# Allegro board 1103400-C000PC024-HI3521DV200-CORE-A01-pcb166.brd (continued)
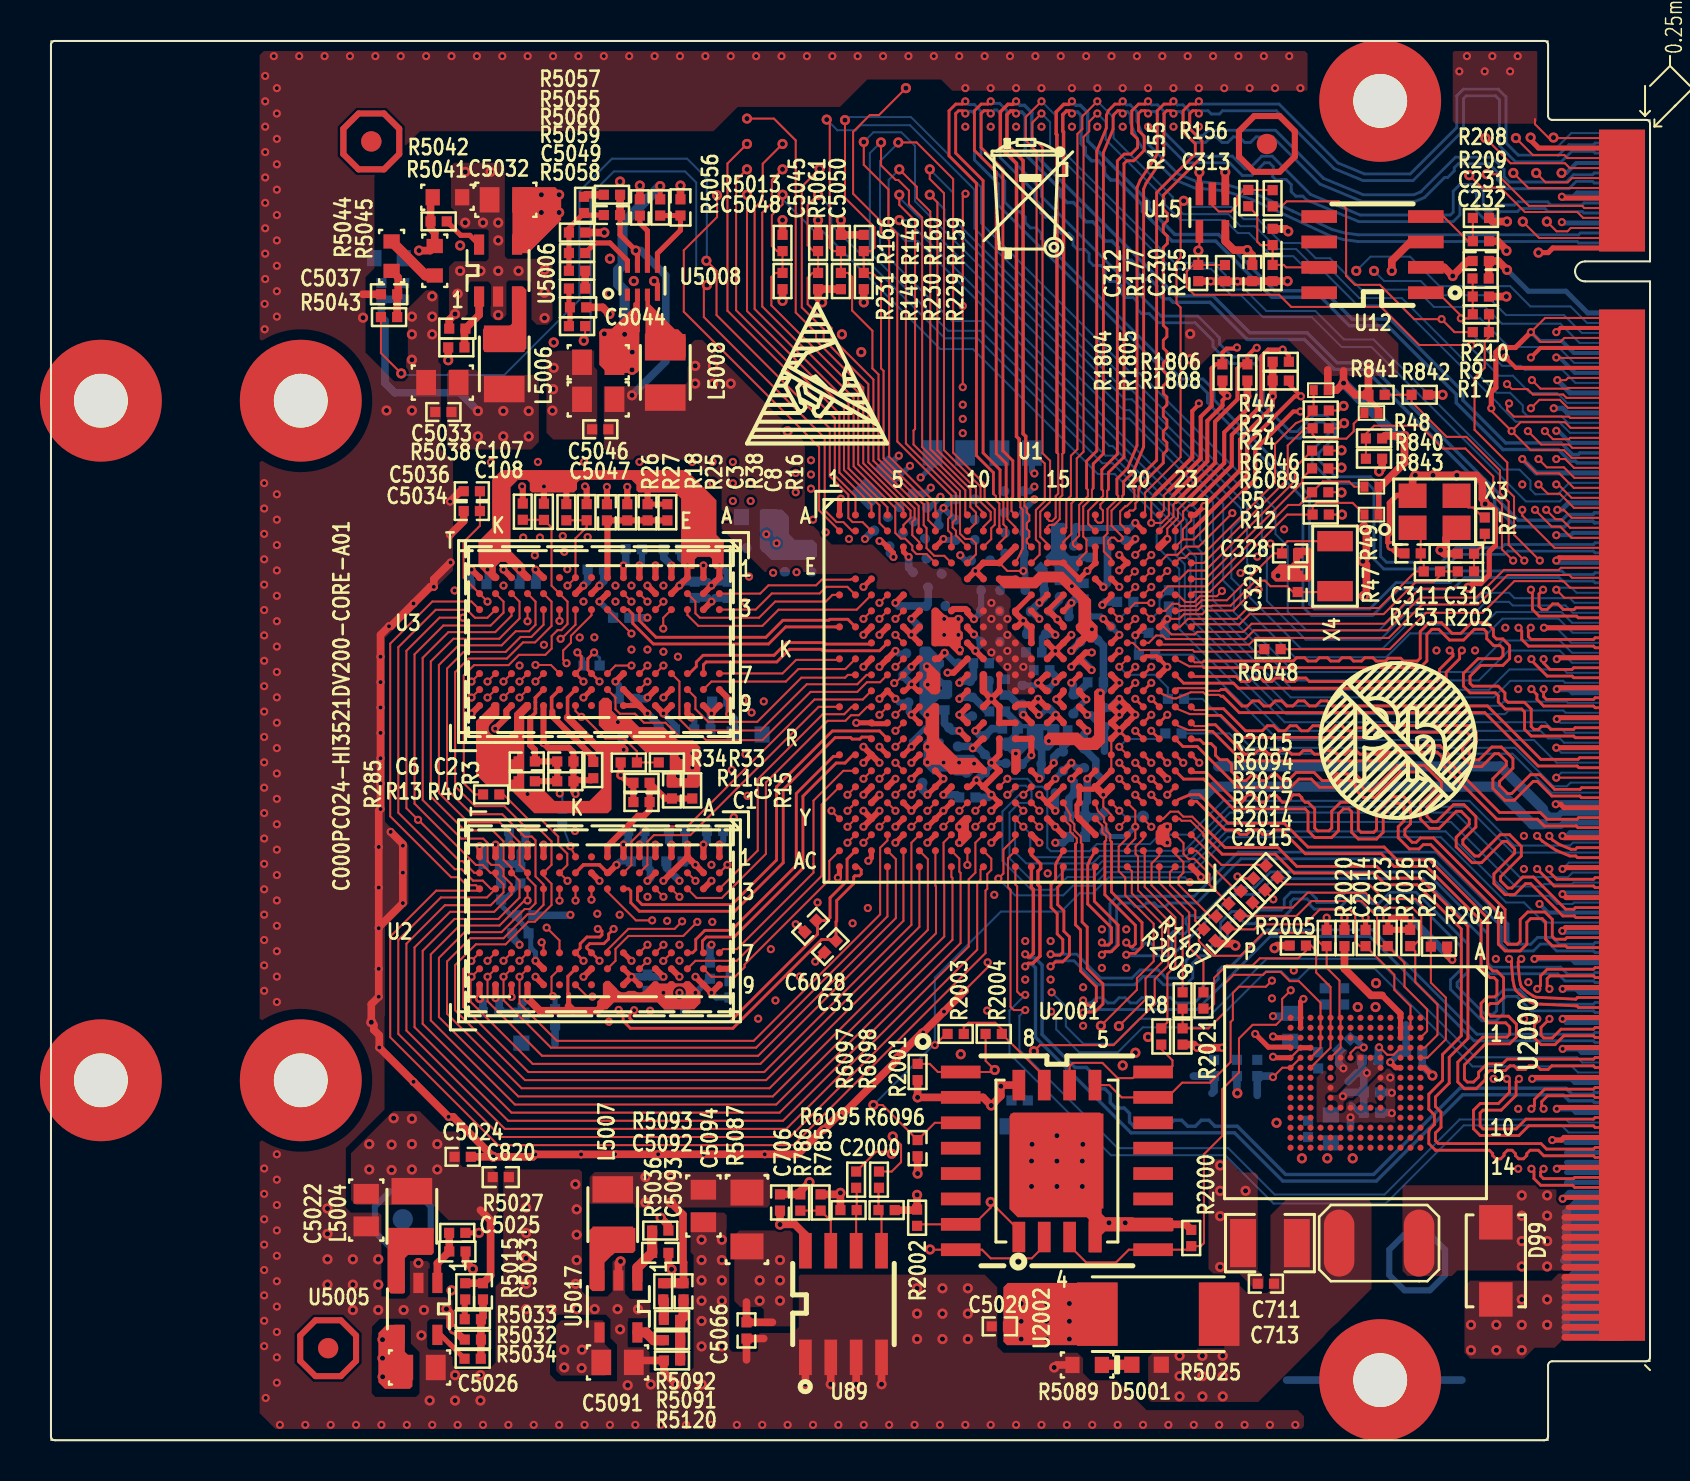
[diagram p0: board, top side]
## Routing (per net, layer and track width the routed paths; a pad name or vN(x,y) marks a point on that pad's centre or on a via; arc(x,y) is an arc through that point) (continued)
DDR_A13: length 72
  TOP w0.102: U3.T3 21.04,41.96 19.08,41.96 16.97,39.86 16.97,31.22 20.02,28.17 20.4,28.17 20.8,27.77 21.26,27.77 U2.T3 21.35,27.5 19.27,27.5 16.97,25.19 16.97,20.16 22.37,14.77 37.15,14.77 46.76,24.38 46.76,27.5 46.84,27.59 46.84,28.33 47.05,28.53 47.05,29.1 U1.AB10
DDR_A14: length 50.9
  TOP w0.102: U1.AA6 43.05,29.89 43.05,25.79 35.69,18.42 23.88,18.42 20.63,21.68 20.63,23.58 v1(21.03,23.98) 21.44,24.39 U2.T7 ; v1(21.04,37.96) 21.44,38.36 U3.T7
  ART03 w0.102: v1(21.04,37.96) 21.44,37.56 21.44,36.21 20.65,35.41 20.65,32.63 19.27,31.26 19.27,25.74 v1(21.03,23.98)
DDR_A15: length 49.7
  TOP w0.102: U2.M7 24.64,24.82 v1(24.55,24.91) ; U1.W9 v1(45.45,31.49) ; v1(24.24,37.96) 24.64,38.36 U3.M7
  ART03 w0.102: v1(45.45,31.49) 45.07,31.11 45.07,30.46 44.63,30.03 44.63,29.49 44.15,29.01 44.15,27.67 34.29,17.8 26.73,17.8 24.47,20.06 24.47,22.86 24.62,23.01 24.62,24.84 v1(24.55,24.91) 24.41,25.05 24.41,26.48 24.31,26.58 24.31,28.92 25.02,29.63 25.02,29.98 24.64,30.36 24.64,32.86 24.21,33.29 24.21,35.89 24.49,36.17 24.49,37.71 v1(24.24,37.96)
DDR_BA0: length 61.9
  TOP w0.102: U1.AC6 43.45,25.69 35.78,18.02 23.72,18.02 20.22,21.51 20.22,23.78 21.26,24.81 22.75,24.81 23.88,25.94 24.21,25.94 25.04,26.78 25.04,27.84 24.64,28.24 U2.M2 25.04,28.79 25.04,29.96 24.38,30.63 23.79,30.63 22.69,31.73 21.21,31.73 20.22,32.72 20.22,38.43 20.9,39.11 22.81,39.11 23.62,39.92 24.22,39.92 25.04,40.74 25.04,41.96 U3.M2
DDR_BA1: length 44
  TOP w0.102: U1.AA4 41.85,30.01 41.48,29.64 41.48,26.31 35.16,19.98 25.31,19.98 23.44,21.85 v1(23.44,23.19) 23.84,23.59 U2.N8 ; v1(23.44,37.16) 23.84,37.56 U3.N8
  ART03 w0.102: v1(23.44,23.19) 23.44,23.41 23.04,23.81 23.04,24.21 22.78,24.47 22.78,25 21.07,26.71 21.07,29.96 22.89,31.78 22.89,34.14 23.31,34.56 23.31,36.63 23.44,36.76 v1(23.44,37.16)
DDR_BA2: length 63
  TOP w0.102: U1.AB6 43.87,29.07 43.87,25.53 35.95,17.61 23.55,17.61 19.82,21.34 19.82,23.95 20.98,25.12 22.64,25.12 23.85,26.32 24.18,26.32 24.64,26.79 24.64,27.59 U2.M3 24.64,27.81 24.24,28.21 24.24,30.02 24.06,30.2 23.7,30.2 22.58,31.32 21.06,31.32 19.82,32.56 19.82,38.61 20.65,39.44 22.75,39.44 23.5,40.19 24.03,40.19 24.64,40.8 24.64,41.56 U3.M3
DDR_CAS_N: length 45.6
  TOP w0.102: U3.K3 26.24,40.81 25.53,40.1 v1(25.5,40.1) ; v1(42.25,31.49) U1.W4 ; U2.K3 26.24,27.01 v1(26.24,27)
  ART03 w0.102: v1(42.25,31.49) 41.85,31.09 41.85,28.75 33.14,20.04 27.7,20.04 26.69,21.04 26.69,22.26 25.97,22.99 25.97,25.06 26.4,25.49 26.4,26.85 v1(26.24,27) 26.24,28.6 26.62,28.98 26.62,29.87 26.85,30.1 26.85,32.51 26.29,33.07 26.29,35.23 25.91,35.61 25.91,37.95 25.3,38.56 25.3,39.9 v1(25.5,40.1)
DDR_CKE: length 43.4
  TOP w0.102: U2.K9 26.84,22.2 v1(27.09,22.2) ; R33.2 R34.1 29.32,34.47 28.67,35.11 27.74,35.11 26.66,36.19 v1(26.54,36.19) 26.24,36.49 U3.K9 ; U1.Y4 v1(41.45,30.69)
  ART03 w0.102: v1(41.45,30.69) 41.45,28.92 32.97,20.45 27.85,20.45 27.09,21.21 v1(27.09,22.2) 26.27,23.02 26.27,25.01 26.64,25.39 26.64,28.52 26.88,28.76 26.88,29.72 27.11,29.95 27.11,32.72 26.78,33.05 26.78,35.23 26.62,35.39 26.62,36.11 v1(26.54,36.19)
DDR_CLK_N: length 39.9
  TOP w0.142: v1(26.64,23.99) U2.K7 26.48,24.62 26.48,24.84 26.81,25.18 27.46,25.18 27.57,25.28 27.57,25.48 27.47,25.58 v1(27.36,25.58) ; v1(26.34,39.42) 26.53,39.23 26.53,38.64 U3.K7 26.24,38.36 v1(26.64,37.96) ; v1(28.4,21.53) 28.63,21.3 28.63,20.97 28.99,20.61 34.12,20.61 38.56,25.05 39.22,25.05 C33.1 39.28,25.94 39.31,25.98 39.31,27 40.16,27.85 40.16,28.18 40.22,28.24 40.45,28.24 40.54,28.33 40.54,28.53 40.38,28.69 U1.AC2
  ART03 w0.114: v1(26.64,37.96) 26.75,37.96 27,37.7 27,37.4 27.18,37.22 27.18,36.79 27.35,36.62 27.35,35.65 27.68,35.32 27.68,29.52 27.41,29.25 27.41,28.56 27.86,28.11 27.86,27.05 27.71,26.9 27.71,25.93 v1(27.36,25.58) ; v1(26.64,23.99) 26.91,23.72 26.91,23.55 27.13,23.34 27.13,22.9 28.4,21.62 28.4,21.54 28.41,21.53 v1(28.4,21.53)
  BOTTOM w0.142: R1.2 26.64,39.12 v1(26.34,39.42)
DDR_CLK_P: length 39.8
  TOP w0.142: U1.AB2 39.83,29.07 39.83,27.99 38.98,27.14 38.98,26.14 38.84,26 C6028.1 38.35,25.94 38.35,25.32 33.98,20.94 29.13,20.94 28.96,21.11 28.96,21.3 v1(29.18,21.52) ; v1(27.44,23.99) U2.J7 26.81,24.62 26.81,24.7 26.95,24.85 27.66,24.85 27.9,25.08 27.9,25.33 v1(28.15,25.58) ; v1(27.17,39.42) 26.86,39.1 26.86,38.54 U3.J7 27.04,38.36 v1(27.44,37.96)
  ART03 w0.114: v1(28.15,25.58) 28.07,25.66 28.07,26.75 28.22,26.9 28.22,28.25 27.76,28.71 27.76,29.11 28.03,29.37 28.03,35.47 27.7,35.8 27.7,36.77 27.54,36.93 27.54,37.37 27.36,37.55 27.36,37.87 v1(27.44,37.96) ; v1(27.44,23.99) 27.27,23.81 27.27,23.7 27.48,23.48 27.48,23.05 28.79,21.74 28.79,21.24 28.86,21.17 29.05,21.17 29.18,21.29 v1(29.18,21.52)
  BOTTOM w0.142: R1.1 27.45,39.14 v1(27.17,39.42)
DDR_CS_N: length 39
  TOP w0.102: v1(25.84,27.99) 25.44,28.39 U2.L2 25.83,28.78 25.83,29.34 25.38,29.8 25.38,30.2 24.53,31.05 23.9,31.05 22.64,32.31 R285.1 ; U1.V6 v1(43.05,32.29)
  ART03 w0.102: v1(43.05,32.29) 42.65,31.89 42.65,28.99 33.19,19.53 27.66,19.53 26.36,20.83 26.36,22.25 25.71,22.9 25.71,25.23 25.81,25.33 25.81,25.86 25.62,26.06 25.62,26.58 25.84,26.81 v1(25.84,27.99)
DDR_CS_N_1: length 20
  TOP w0.102: R26.1 24.66,46.05 R27.2 25.05,45.66 25.05,42.76 U3.L2 25.84,41.96 25.84,40.84 25.53,40.53 25.34,40.53 25.05,40.24 25.05,39.61 24.74,39.3 23.41,39.3 22.9,38.78 21.17,38.78 20.65,38.27 20.65,32.87 21.21,32.31 R285.2
DDR_DM0: length 16.7
  TOP w0.102: U2.E7 v1(30.64,24.79) ; U1.V5 v1(42.25,32.29)
  ART03 w0.102: v1(42.25,32.29) 41.85,31.89 40.49,31.89 40.25,31.65 40.25,31.28 40.06,31.09 39.66,31.09 37.52,28.96 37.52,27.83 34.87,25.18 31.03,25.18 v1(30.64,24.79)
DDR_DM1: length 13.5
  TOP w0.102: U1.U3 v1(40.65,33.09) ; U2.D3 v1(31.44,27.19)
  ART03 w0.102: v1(40.65,33.09) 38.66,33.09 35.44,29.87 35.44,28.66 34.31,27.54 33.71,27.54 33.46,27.28 31.53,27.28 v1(31.44,27.19)
DDR_DM2: length 13.1
  TOP w0.102: U3.E7 v1(30.64,38.76) ; U1.K5 v1(42.25,38.69)
  ART03 w0.102: v1(30.64,38.76) 30.68,38.72 38.43,38.72 38.9,38.25 41.81,38.25 v1(42.25,38.69)
DDR_DM3: length 14.4
  TOP w0.102: U1.J5 v1(42.25,40.29) ; v1(30.63,40.61) 30.63,41.15 U3.D3
  ART03 w0.102: v1(42.25,40.29) 41.08,39.12 32.12,39.12 v1(30.63,40.61)
DDR_DQ0: length 16.2
  TOP w0.102: U2.E3 v1(30.64,27.19) ; U1.U5 v1(42.25,33.89)
  ART03 w0.102: v1(30.64,27.19) 30.82,27.19 31.22,27.59 33.28,27.59 33.64,27.94 34.15,27.94 35.03,28.83 35.03,30.05 38.47,33.49 41.85,33.49 v1(42.25,33.89)
DDR_DQ1: length 14.6
  TOP w0.102: U1.W2 40.06,31.7 40.06,31.7 v1(39.85,31.49) ; U2.F7 v1(29.84,24.79)
  ART03 w0.102: v1(29.84,24.79) 30.61,25.55 34.67,25.55 37.11,28 37.11,29.21 38.97,31.07 39.27,31.07 39.7,31.49 v1(39.85,31.49)
DDR_DQ2: length 14.1
  TOP w0.102: U2.F2 29.84,28.79 29.84,29.95 30.17,30.28 31.99,30.28 38.41,36.69 U1.N1
DDR_DQ3: length 14.6
  TOP w0.102: U2.F8 v1(29.84,23.98) ; v1(39.85,30.69) U1.Y2
  ART03 w0.102: v1(29.84,23.98) 30.24,24.39 34.65,24.39 37.93,27.67 37.93,28.77 v1(39.85,30.69)
DDR_DQ4: length 18.6
  TOP w0.102: U2.H3 27.84,27.44 29.27,26.01 v1(30.08,26.01) ; U1.U4 v1(41.45,33.09)
  ART03 w0.102: v1(41.45,33.09) 41.05,32.69 38.84,32.69 35.84,29.69 35.84,28.48 34.47,27.1 33.63,27.1 33.48,26.95 31.96,26.95 31.55,26.55 30.61,26.55 v1(30.08,26.01)
DDR_DQ5: length 16.3
  TOP w0.102: U1.Y1 v1(39.05,31.49) ; v1(32.34,25.93) 31.63,25.23 28.89,25.23 28.24,24.58 28.24,23.99 U2.H8
  ART03 w0.102: v1(32.34,25.93) 32.73,26.32 33.42,26.32 33.63,26.11 34.65,26.11 36.71,28.17 36.71,29.39 38.81,31.49 v1(39.05,31.49)
DDR_DQ6: length 16.9
  TOP w0.102: U1.M3 40.62,37.06 38.2,37.06 31.85,30.72 29.81,30.72 29.04,29.95 29.04,28.79 U2.G2
DDR_DQ7: length 16.6
  TOP w0.102: U1.V2 40.25,32.69 v1(39.85,32.29) ; v1(31.58,25.96) 31.2,25.59 28.89,25.59 27.84,24.54 U2.H7
  ART03 w0.102: v1(31.58,25.96) 32.24,26.62 34.57,26.62 36.25,28.3 36.25,29.52 39.03,32.29 v1(39.85,32.29)
DDR_DQ8: length 13.6
  TOP w0.102: U1.AA2 v1(39.85,29.89) ; U2.D7 v1(30.64,23.98)
  ART03 w0.102: v1(39.85,29.89) 39.37,29.42 38.43,28.48 38.43,27.6 34.95,24.11 32.21,24.11 31.7,23.61 31.01,23.61 v1(30.64,23.98)
DDR_DQ9: length 15.4
  TOP w0.102: U1.N3 40.84,36.69 40.42,36.27 40.03,36.27 39.75,35.99 38.86,35.99 35.77,32.91 35.77,29.33 33.56,27.13 32.3,27.13 U2.C3
DDR_DQ10: length 13.5
  TOP w0.102: U2.C8 32.24,23.99 34.31,23.99 38.56,28.24 38.56,31.8 U1.V1
DDR_DQ11: length 14.6
  TOP w0.102: U2.C2 31.84,28.39 v1(32.24,27.99) ; U1.R5 v1(42.25,34.69)
  ART03 w0.102: v1(42.25,34.69) 41.87,34.32 38.71,34.32 34.62,30.23 34.62,29 34,28.37 32.82,28.37 32.44,27.99 v1(32.24,27.99)
DDR_DQ12: length 12.7
  TOP w0.102: U1.U2 39.64,33.49 38.15,32 38.15,28.84 38.15,28.4 34.32,24.57 33.63,24.57 33.45,24.39 U2.A7
DDR_DQ13: length 13
  TOP w0.102: U2.A2 v1(33.84,28.79) ; U1.P5 v1(42.25,35.49)
  ART03 w0.102: v1(33.84,28.79) 34.22,29.16 34.22,30.41 38.95,35.14 41.89,35.14 v1(42.25,35.49)
DDR_DQ14: length 10.2
  TOP w0.102: U2.B8 33.04,23.19 34.22,23.19 34.7,23.67 34.7,23.8 38.94,28.04 38.94,28.99 U1.AB1
DDR_DQ15: length 12.7
  TOP w0.102: U2.A3 35.36,29.51 35.36,33.07 38.61,36.32 39.69,36.32 40.06,36.69 U1.N2
DDR_DQ16: length 13.3
  TOP w0.102: U3.E3 v1(30.64,41.96) ; U1.G4 v1(41.45,41.09)
  ART03 w0.102: v1(30.64,41.96) 30.82,41.96 32.44,40.34 38.74,40.34 39.93,41.53 41.01,41.53 v1(41.45,41.09)
DDR_DQ17: length 14
  TOP w0.102: v1(42.19,37.88) 42.24,37.88 U1.L5 ; U3.F7 v1(29.84,38.76)
  ART03 w0.102: v1(42.19,37.88) 42.06,37.75 38.36,37.75 37.8,38.31 30.52,38.31 30.07,38.76 v1(29.84,38.76)
DDR_DQ18: length 14
  TOP w0.102: U1.F4 v1(41.45,41.89) ; U3.F2 29.44,42.36 v1(29.84,41.96)
  ART03 w0.102: v1(29.84,41.96) 30.25,42.36 30.87,42.36 32.49,40.75 38.57,40.75 39.71,41.89 v1(41.45,41.89)
DDR_DQ19: length 14.6
  TOP w0.102: U1.N5 v1(42.25,36.29) ; U3.F8 v1(29.84,37.96)
  ART03 w0.102: v1(42.25,36.29) 42.11,36.29 41.71,35.89 41.15,35.89 40.72,36.32 38.34,36.32 37.17,37.49 31.29,37.49 31.18,37.6 30.2,37.6 v1(29.84,37.96)
DDR_DQ20: length 17
  TOP w0.102: U1.G5 v1(42.25,41.09) ; U3.H3 27.84,41.56 v1(29.04,40.36)
  ART03 w0.102: v1(29.04,40.36) 29.57,40.36 30.26,41.05 30.79,41.05 32.31,39.53 39.07,39.53 40.21,40.67 41.82,40.67 v1(42.25,41.09)
DDR_DQ21: length 16.7
  TOP w0.102: U3.H8 28.24,37.16 28.24,36.57 28.47,36.35 29.22,36.35 29.67,35.9 30.75,35.9 31.44,35.21 32.59,35.21 32.77,35.03 35.59,35.03 38,37.44 40.34,37.44 40.82,37.92 41.48,37.92 41.85,38.29 U1.L4
DDR_DQ22: length 14.1
  TOP w0.102: U3.G2 28.64,42.36 v1(29.04,41.96) ; U1.G3 v1(40.65,41.09)
  ART03 w0.102: v1(29.04,41.96) 29.45,41.55 30.71,41.55 32.33,39.94 38.91,39.94 40.06,41.09 v1(40.65,41.09)
DDR_DQ23: length 15.4
  TOP w0.102: U1.N4 v1(41.45,36.29) ; v1(29.04,38.76) 28.24,38.76 U3.H7
  ART03 w0.102: v1(41.45,36.29) 41.04,36.71 38.79,36.71 37.59,37.9 30.44,37.9 29.99,38.35 29.45,38.35 v1(29.04,38.76)
DDR_DQ24: length 13.4
  TOP w0.102: U3.D7 31.44,37.96 31.44,36.08 32.01,35.51 35.5,35.51 37.81,37.82 40.34,37.82 40.81,38.29 U1.L3
DDR_DQ25: length 10.3
  TOP w0.102: U3.C3 31.84,41.29 32.39,40.75 35.59,40.75 36.4,41.55 40.31,41.55 U1.F3
DDR_DQ26: length 10.4
  TOP w0.102: U1.L2 39.87,38.29 39.73,38.15 37.55,38.15 35.34,35.94 32.89,35.94 32.24,36.59 32.24,37.16 U3.C8
DDR_DQ27: length 8.9
  TOP w0.102: U3.C2 32.24,41.96 32.24,41.37 32.46,41.15 35.42,41.15 36.23,41.96 38.76,41.96 39.1,42.29 U1.F1
DDR_DQ28: length 6.3
  TOP w0.102: U1.K1 39.4,39.04 37.28,39.04 36.6,38.37 33.45,38.37 U3.A7
DDR_DQ29: length 7.1
  TOP w0.102: U1.E2 40.05,43.09 40.01,43.06 38.56,43.06 38.28,42.77 35.9,42.77 35.48,42.36 U3.A2
DDR_DQ30: length 8.2
  TOP w0.102: U1.K2 39.74,38.58 37.39,38.58 36.77,37.96 33.04,37.96 U3.B8
DDR_DQ31: length 7.4
  TOP w0.102: U1.F2 39.84,42.7 38.79,42.7 38.46,42.37 36.06,42.37 35.26,41.56 U3.A3
DDR_DQS0_N: length 19.1
  TOP w0.142: U2.G3 28.91,27.59 29.01,27.49 29.01,26.9 29.44,26.47 34.21,26.47 36.63,28.89 36.63,32.55 39.23,35.15 40.01,35.15 40.09,35.08 40.47,35.08 40.57,35.18 40.96,35.18 U1.R3
DDR_DQS0_P: length 19.1
  TOP w0.142: U1.R4 41.46,35.49 39.09,35.49 36.3,32.69 36.3,29.03 34.07,26.8 29.57,26.8 29.34,27.03 29.34,27.49 U2.F3
DDR_DQS1_N: length 14.2
  TOP w0.142: U1.T2 40.14,34.29 39.73,33.88 39.28,33.88 37.62,32.22 37.62,28.62 34.18,25.18 32.79,25.18 32.59,24.98 32.59,24.44 U2.B7
DDR_DQS1_P: length 14.1
  TOP w0.142: U1.T1 39.37,34.22 39.15,34.22 37.29,32.36 37.29,28.76 34.04,25.51 32.71,25.51 32.26,25.06 32.26,24.54 32.1,24.39 U2.C7
DDR_DQS2_N: length 12.1
  TOP w0.142: U1.H1 39.45,40.69 39.25,40.69 36.76,40.69 35.91,39.84 30.14,39.84 29.11,40.87 29.11,41.33 28.88,41.56 U3.G3
DDR_DQS2_P: length 12.2
  TOP w0.142: U3.F3 29.44,41 29.69,40.76 30.27,40.17 35.77,40.17 36.62,41.03 38.92,41.03 38.97,41.07 39.87,41.07 U1.H2
DDR_DQS3_N: length 10.2
  TOP w0.142: U3.B7 32.64,38.8 32.79,38.94 36.31,38.94 36.95,39.57 38.55,39.57 38.62,39.5 41.45,39.5 41.85,39.89 U1.J4
DDR_DQS3_P: length 10
  TOP w0.142: U1.J3 41.05,39.89 40.99,39.83 38.76,39.83 38.68,39.91 36.81,39.91 36.18,39.27 32.62,39.27 32.29,38.94 32.29,38.71 31.93,38.36 U3.C7
DDR_ODT: length 38.4
  TOP w0.102: U2.K1 v1(25.99,29.72) ; U1.W7 v1(43.85,31.49)
  ART03 w0.102: v1(43.85,31.49) 43.45,31.09 43.45,28.12 33.95,18.62 27.39,18.62 25.73,20.28 25.73,22.18 25.18,22.73 25.18,24.45 25.23,24.5 25.23,25.78 25.15,25.87 25.15,26.59 25,26.73 25,28.46 25.99,29.44 v1(25.99,29.72)
  BOTTOM w0.102: R286.1 v1(25.99,29.72)
DDR_ODT_1: length 16.8
  TOP w0.102: R18.2 R25.1 26.8,45.68 26.24,45.12 U3.K1 25.84,42.76 v1(25.84,42.76)
  ART03 w0.102: v1(25.84,42.76) 24.28,39.91 24.28,39.62 24.74,39.16 24.74,38.36 25.2,37.9 25.2,35.41 25.48,35.13 25.48,32.39 v1(25.46,32.36)
  BOTTOM w0.102: R286.2 25.58,32.23 v1(25.46,32.36)
DDR_RAS_N: length 39.7
  TOP w0.102: U3.J3 27.04,41.28 26.02,40.25 26.02,39.9 25.63,39.51 25.63,39.05 v1(25.8,38.88) ; v1(27.04,27.05) 27.04,27.05 U2.J3 ; U1.AA3 v1(40.65,29.89)
  ART03 w0.102: v1(40.65,29.89) 39.9,29.15 39.9,27.9 32.94,20.94 29.98,20.94 29.59,21.32 29.59,21.66 28.19,23.06 28.19,24.08 26.95,25.32 26.95,26.95 v1(27.04,27.05) 27.04,28.33 27.16,28.45 27.16,29.52 27.39,29.75 27.39,32.9 27.18,33.1 27.18,35.33 26.99,35.53 26.99,36.47 26.7,36.76 26.49,36.76 26.17,37.08 26.17,38.1 25.8,38.47 v1(25.8,38.88)
DDR_RESET_N: length 69.4
  TOP w0.102: U2.T2 21.18,28.39 20.6,28.98 20.45,28.98 18.38,31.04 v1(18.37,31.04) 17.78,31.62 17.78,39.5 19.44,41.16 v1(20.61,41.16) ; C107.1 C108.1 21.46,45.75 20.65,44.94 20.65,43.15 U3.T2 21.44,42.36 v1(21.84,41.96) ; U1.AB9 v1(45.85,28.78)
  ART03 w0.102: v1(20.61,41.16) 21.41,41.96 v1(21.84,41.96) ; v1(45.85,28.78) 45.85,27.07 34.94,16.16 25.63,16.16 20.58,21.21 20.58,22.91 18.44,25.05 18.44,30.96 v1(18.37,31.04)
DDR_VREF_CA_0: length 5.8
  TOP w0.305: U2.M8 v1(24.24,23.99)
  BOTTOM w0.254: C7.2 22.68,27.05 R14.2 22.52,26.76 23.02,26.27 R39.1 23.32,26.09 23.89,25.52 C4.1 24,25.25 24,24.65 24.24,24.4 v1(24.24,23.99)
DDR_VREF_CA_1: length 7.2
  TOP w0.178: U3.M8 24.24,37.15 24.24,36.92 24.24,36.4 23.98,36.14
  TOP w0.305: R13.2 R40.1 C2.1 C6.2 24.21,34.55 23.98,34.78 23.98,36.14
DDR_VREF_DQ_0: length 7.2
  TOP w0.305: R15.2 C5.2 30.74,32.11 R11.1 C1.1 29.95,31.52 29.67,31.24 29.37,31.24 27.84,29.72 U2.H1
DDR_VREF_DQ_1: length 5.9
  TOP w0.305: R16.2 C8.2 R38.1 C3.1 27.84,45.99 U3.H1
DDR_WE_N: length 47.6
  TOP w0.102: U2.L3 v1(25.44,27) ; U3.L3 v1(25.44,40.99) ; U1.Y6 v1(43.05,30.69)
  ART03 w0.102: v1(43.05,30.69) 43.05,30.69 43.05,28.2 33.87,19.02 27.6,19.02 26.06,20.56 26.06,22.22 25.46,22.82 25.46,25.26 25.51,25.31 25.51,25.86 25.39,25.98 25.39,26.95 v1(25.44,27) 25.44,28.39 26.39,29.34 26.39,30.04 26.6,30.24 26.6,31.45 25.87,32.17 25.87,35.19 25.56,35.51 25.56,37.9 25.04,38.41 25.04,40.03 arc(25.15,40.55) 25.44,40.99 v1(25.44,40.99)
DDR_ZQ: length 1.4
  TOP w0.305: U1.V8 v1(44.65,32.29)
  BOTTOM w0.381: v1(44.65,32.29) 45.31,32.29 R6.2
EMMC_CLK_R: length 14.5
  TOP w0.102: U2000.M6 64.02,19.64 U2000.K3 U2000.K2 U2000.K1 64.02,22.68 63.3,23.4 63.3,24.49 63.04,24.75 R2005.1 62.79,24.49 62.41,24.11 60.48,24.11 60.12,23.76 58.81,23.76 58.19,23.14 58.19,21.83 57.96,21.6 R1407.2
EMMC_CMD: length 7.9
  TOP w0.102: R2008.1 56.62,26.22 55.06,27.77 55.06,28.86 55.45,29.25 U1.AB21
EMMC_CMD_R: length 13.5
  TOP w0.102: R2008.2 R2021.2 57.91,20.61 58.67,21.37 58.67,22.79 59.17,23.29 60.64,23.29 60.78,23.43 61.52,23.43 61.98,22.97 62.43,22.97 63.52,21.89 U2000.L1 U2000.L2 U2000.L3 63.52,19.64 U2000.M5
EMMC_DATA0: length 4.7
  TOP w0.102: U1.AA22 56.66,29.88 56.66,29.33 56.91,29.09 57.2,29.09 57.96,28.33 57.96,27.8 R2017.1
EMMC_DATA0_R: length 14.9
  TOP w0.102: U2000.A3 68.85,20.47 68.85,21.56 67.72,22.69 67.72,23.89 R2026.2 66.51,24.72 66.34,24.89 66.34,26.2 65.56,26.98 63.06,26.98 62.32,26.23 59.53,26.23 R2017.2
EMMC_DATA1: length 3.3
  TOP w0.102: U1.AB23 57.3,29.49 59.32,27.47 59.54,27.47
EMMC_DATA1_R: length 17.3
  TOP w0.102: U2000.A4 68.72,19.64 69.37,20.28 69.37,21.8 68.26,22.91 68.26,24.47 R2025.2 68.15,24.72 68.55,25.13 68.55,26.2 68.11,26.64 66.51,26.64 65.75,27.4 62.87,27.4 62.13,26.65 60.36,26.65 R2016.2
EMMC_DATA2: length 4.4
  TOP w0.102: U1.AA23 58.56,28.79 60.74,28.79 R2015.1
EMMC_DATA2_R: length 16.7
  TOP w0.102: R2015.2 61.72,27.82 65.94,27.82 66.67,27.09 68.27,27.09 69.04,26.32 R2024.2 69.04,22.89 69.79,22.14 69.79,20.06 68.86,19.14 U2000.A5
EMMC_DATA3: length 4.5
  TOP w0.102: R2014.1 58,26.2 56.41,27.8 56.41,28.15 56.65,28.39 56.65,28.93 56.25,29.33 U1.AB22
EMMC_DATA3_R: length 13.9
  TOP w0.102: U2000.B2 U2000.B1 68.02,21.73 67.21,22.54 67.21,23.28 R2023.2 65.48,24.72 65.25,24.95 65.25,26.27 64.97,26.56 63.48,26.56 62.74,25.81 60.45,25.81 60.2,25.56 58.94,25.56 58.87,25.63
EMMC_RST_N: length 18.2
  TOP w0.102: U1.AC22 55.98,28.43 55.98,27.77 57.25,26.5 57.25,25.99 C2015.1 57.43,25.32 57.43,24.98 58.17,24.24 59.51,24.24 60.67,25.39 62.98,25.39 63.65,24.72 R2020.2 63.82,23.64 64.46,23 64.46,21.19 U2000.J1 U2000.J2 U2000.J3 64.52,19.64 U2000.K5
GPIO0_0: length 69
  TOP w0.102: v2(71.83,63.34) 72.35,63.34 73.94,61.76 76.61,61.76 76.71,61.65 U102.16 ; v2(36.6,63.59) 36.07,63.05 36.07,61.9 35.58,61.41 35.58,56.73 40.16,52.16 40.16,48.73 42.24,46.64 42.24,45.4 42.53,45.11 42.73,45.11 43.09,44.75 43.09,44.55 43.3,44.34 43.8,44.34 U1.D7
  ART03 w0.102: v2(36.6,63.59) 36.6,63.66 37.03,64.09 39.6,64.09 40.21,63.48 40.97,63.48 41.68,62.77 55.12,62.77 56.46,61.43 69.93,61.43 71.83,63.33 v2(71.83,63.34)
GPIO0_1: length 66.5
  TOP w0.102: v2(36.6,64.86) 35.61,63.86 35.61,62.06 35.2,61.65 35.2,56.6 39.9,51.9 39.9,48.62 41.85,46.68 U1.A4 ; U102.18 78.59,61.16 76.66,61.16 76.36,61.45 73.74,61.45 72.52,62.67 71.59,62.67 70.97,63.29 v2(70.95,63.29)
  ART03 w0.102: v2(36.6,64.86) 39.6,64.86 40.36,64.09 40.92,64.09 41.91,63.1 56.16,63.1 56.69,62.57 61.9,62.57 62.48,61.99 69.65,61.99 v2(70.95,63.29)
GPIO0_2: length 67.7
  TOP w0.102: U102.22 74.45,60.15 v2(73.63,60.97) ; U1.B1 39.45,45.5 38.43,46.52 38.43,49.69 31.66,56.46 31.66,59.53 33.32,61.2 v2(33.32,62.29)
  ART03 w0.102: v2(73.63,60.97) 72.92,60.26 70.03,60.26 69.72,59.95 61.29,59.95 60.6,60.64 56.13,60.64 55.24,61.53 34.09,61.53 v2(33.32,62.29)
GPIO0_3: length 63.7
  TOP w0.102: v2(74.84,60.97) 75.32,60.49 75.87,60.49 76.03,60.65 U102.20 ; U1.C6 43.45,44.93 43.09,45.28 43.09,45.95 43.21,46.06 43.21,46.62 40.89,48.93 40.89,52.84 38.66,55.08 38.66,55.58 37.57,56.68 37.57,62.72 v2(38.46,63.61)
  ART03 w0.102: v2(74.84,60.97) 74.28,61.53 72.21,61.53 71.75,61.07 56.16,61.07 55.37,61.86 42.06,61.86 41.02,62.9 40.06,62.9 39.34,63.61 v2(38.46,63.61)
GPIO0_4: length 69
  TOP w0.102: U102.10 76.09,63.15 75.88,62.94 74.77,62.94 v2(74.31,63.4) ; v2(34.82,63.59) 34.28,63.04 34.28,56.54 39.45,51.37 39.45,48.41 41.05,46.81 U1.A3
  ART03 w0.102: v2(74.31,63.4) 73.39,64.32 70.69,64.32 68.91,62.54 63.25,62.54 61.84,63.95 44.74,63.95 41.93,66.76 37.19,66.76 35.33,64.91 35.33,64.09 v2(34.82,63.59)
GPIO0_5: length 68.3
  TOP w0.102: v2(34.82,62.32) 34.82,56.5 39.67,51.65 39.67,48.55 41.45,46.77 41.45,45.89 U1.B4 ; U102.12 73.92,62.65 v2(73.16,63.4)
  ART03 w0.102: v2(73.16,63.4) 72.52,64.04 70.99,64.04 69.21,62.26 62.84,62.26 62.13,62.98 57.27,62.98 56.7,63.55 44.65,63.55 42.78,65.41 36.42,65.41 35.71,64.7 35.71,63.31 34.82,62.42 v2(34.82,62.32)
GPIO0_6: length 72.6
  TOP w0.102: U1.B5 42.65,45.79 43,46.15 43,46.51 40.64,48.88 40.64,52.66 38.28,55.03 38.28,55.41 37.26,56.42 37.26,65.03 36.17,66.13 v2(34.82,66.13) ; v2(71.77,65.15) 73.03,63.89 75.75,63.89 75.99,63.65 U102.8
  ART03 w0.102: v2(34.82,66.13) 36.19,67.5 42.14,67.5 44.96,64.68 62.13,64.68 63.72,63.09 68.52,63.09 70.58,65.15 v2(71.77,65.15)
GPIO0_7: length 69.7
  TOP w0.102: U1.A2 40.25,47.24 39.22,48.27 39.22,51.14 33.84,56.51 33.84,63.88 v2(34.82,64.86) ; U102.6 75.86,64.15 75.72,64.3 74.14,64.3 v2(73.29,65.15)
  ART03 w0.102: v2(73.29,65.15) 73.04,65.15 72.54,64.65 70.51,64.65 68.67,62.82 63.46,62.82 61.98,64.3 44.83,64.3 42.01,67.12 36.8,67.12 34.82,65.13 v2(34.82,64.86)
GPIO1_0: length 64.6
  TOP w0.102: 74.24,66.1 74.24,65.84 74.91,65.18 v2(75.17,65.18) 75.19,65.15 U102.2 ; v2(42.77,67.65) 41.43,66.3 40.97,66.3 40.13,65.46 40.13,62.37 41.54,60.96 41.54,60.42 41.93,60.03 41.93,49.21 44.25,46.89 U1.A7
  ART03 w0.102: v2(75.17,65.18) 74.84,65.18 74.35,65.67 70.66,65.67 68.35,63.36 64,63.36 62.33,65.04 45.39,65.04 v2(42.77,67.65)
  vias: v1(70.46,68.49) v1(70.84,69.25) v1(71.73,68.49) v1(72.11,69.25) v1(73,68.49) v1(73.38,69.25)
GPIO1_1/BOOT_SEL1: length 77.6
  TOP w0.102: U1.B7 44.25,45.68 43.89,46.03 43.89,46.9 41.66,49.13 41.66,53.5 41.53,53.63 41.53,57.97 41.1,58.4 R229.2 R159.1 41.03,59.5 41.2,59.66 41.2,60.69 39.73,62.16 v2(39.73,66.05)
  BOTTOM w0.102: v2(39.73,66.05) 39.88,66.2 43.03,66.2 46.53,62.7 46.53,60.89 54.04,53.39 54.47,53.39 61.26,46.59 61.26,45.34 61.87,44.73 61.87,41.46 62.81,40.52 66.45,40.52 67.73,41.8 71.08,41.8 71.68,42.4 72.95,42.4 73.21,42.13 75.98,42.13 76.22,41.9 U102.83
GPIO1_2/BOOT_SEL0: length 81
  TOP w0.102: U1.D8 44.69,44.25 44.19,44.25 43.8,44.64 43.8,45.64 43.66,45.78 43.66,46.82 41.4,49.08 41.4,53.32 41.1,53.63 41.1,55.51 40.08,56.52 40.08,58.2 39.88,58.4 R230.2 R160.1 39.13,59.5 38.96,59.66 38.96,65.92 v2(38.81,66.07)
  BOTTOM w0.102: U102.85 76.13,41.4 75.77,41.77 73.13,41.77 72.95,41.94 71.78,41.94 71.22,41.39 67.83,41.39 66.5,40.05 62.78,40.05 60.83,42 60.83,44.33 60.58,44.59 60.58,46.64 54.25,52.97 53.86,52.97 46.2,60.63 46.2,62.57 42.98,65.79 42.98,65.79 40.51,65.79 40.26,65.54 39.34,65.54 v2(38.81,66.07)
GPIO1_3/FAST_BOOT_MODE: length 74.5
  TOP w0.102: v2(38.38,62.32) 37.86,61.79 37.86,59.79 38.15,59.5 R146.1 R148.2 38.11,58.4 37.86,58.16 37.86,56.84 39.05,55.65 39.05,55.16 41.15,53.07 41.15,49.01 43.41,46.74 43.41,45.53 U1.B6
  BOTTOM w0.102: v2(38.38,62.32) 39.04,61.65 39.04,60.82 44.72,55.13 46.35,55.13 52.6,48.88 53.11,48.88 56.26,45.73 56.26,44.29 56.73,43.82 56.73,40.92 61.72,35.92 74.75,35.92 75.08,35.59 75.56,35.59 75.76,35.4 U102.109
GPIO1_4/SFC_EMMC_BOOT_MODE: length 76.1
  TOP w0.102: v2(36.6,62.32) 36.6,61.83 36.07,61.3 36.07,59.75 36.32,59.5 R166.1 R231.2 36.25,58.4 36.04,58.2 36.04,56.78 40.39,52.43 40.39,48.83 42.65,46.56 U1.A5
  BOTTOM w0.102: U102.111 75.7,34.9 75.49,35.11 74.9,35.11 74.52,35.49 61.54,35.49 56.45,40.59 56.45,43.6 55.32,44.72 55.32,45.32 55.5,45.5 55.5,46.06 53.21,48.35 52.37,48.35 46.13,54.59 44.5,54.59 38.63,60.46 38.23,60.46 36.6,62.09 v2(36.6,62.32)
GPIO10_4: length 39.2
  TOP w0.102: 57.66,30.26 57.66,30.35 57.02,31 56.56,31 56.47,31.09 U1.Y22
  TOP w0.142: 57.66,30.26 58.6,29.32 61.25,29.32 62.19,28.38 66.18,28.38 66.77,27.79 68.35,27.79 70.56,25.58 70.56,20.24 69.62,19.3 69.62,18.01 68.93,17.32 68.93,16.56 69.21,16.28 69.21,15.79 68.99,15.57 68.93,15.44 68.93,14.85 69.27,14.51 71.96,14.51 72.13,14.34 72.13,14.25 72.29,14.08 72.53,14.08 72.7,14.25 72.7,14.34 72.86,14.51 73.1,14.51 73.27,14.34 73.27,14.25 73.43,14.08 73.67,14.08 73.83,14.25 73.83,14.34 74,14.51 74.41,14.51 74.69,14.23 77.17,14.23 77.26,14.15 U102.194
GPIO11_7: length 3.2
  TOP w0.102: R6097.1 40.31,12.61 R6095.2 40.28,11.49 U89.6
GPIO12_0: length 3.2
  TOP w0.102: R6098.1 41.4,12.61 R6096.2 41.55,11.36 U89.5
HDMI_HOTPLUG: length 41.6
  TOP w0.102: v2(56.67,62.01) 56.51,61.86 56.51,59.17 56.31,58.96 56.31,56.88 56.51,56.68 56.51,49.18 54.74,47.41 54.74,46.38 U1.A20
  BOTTOM w0.102: U102.31 76.48,54.9 75.51,55.86 72.59,55.86 71.75,56.7 69.19,56.7 68.33,57.57 65.56,57.57 63.98,59.14 63.27,59.14 62.51,59.9 61.57,59.9 60.38,61.1 59.66,61.1 59.05,61.71 56.97,61.71 v2(56.67,62.01)
HDMI_SCL: length 36.4
  TOP w0.102: U1.D20 v1(55.05,44.29)
  ART03 w0.102: v1(55.05,44.29) 55.05,44.87 56.9,46.72 56.9,51.98 58.47,53.55 58.47,55.77 61.2,58.51 v2(65.3,58.51)
  BOTTOM w0.102: v2(65.3,58.51) 66.01,59.22 68,59.22 69.47,57.74 73,57.74 74.02,56.73 76.02,56.73 76.85,55.9 U102.27
HDMI_SDA: length 37.1
  TOP w0.102: U1.C20 v1(54.25,44.29)
  ART03 w0.102: v1(54.25,44.29) 54.25,44.53 56.03,46.31 56.03,51.75 58.03,53.74 58.03,55.96 61,58.94 65.76,58.94 v2(66.19,58.51)
  BOTTOM w0.102: U102.29 76.59,55.4 75.69,56.3 72.8,56.3 71.81,57.29 69.24,57.29 68.53,58 66.7,58 v2(66.19,58.51)
HDMI_TX0N: length 51.3
  TOP w0.102: 53.66,47.34 53.66,47.31 53.6,47.25 53.6,47.05 53.06,46.51 53.06,45.75 53.62,45.2 53.62,45.09 53.52,44.98 53.37,44.98 53.2,45.16 53.05,45.16 52.89,45 52.89,44.85 U1.C18
  TOP w0.142: v1(56.16,66.38) 56.02,66.52 55.82,66.52 55.68,66.38 55.68,64.33 55.57,64.05 54.79,62.89 54.67,62.6 54.67,49.7 54.14,48.44 53.66,47.96 53.66,47.34